# Altium PCB PCB.PcbDoc (part 2 of 2)
Units mil, origin at the board's own origin, x right, y up, seen from the top; angles counter-clockwise.
Board outline 5365 x 4803.15 mil, 2 copper layers (Top Layer, Bottom Layer); 200 components, 155 nets, 566 pads, 109 vias.
Unrouted connection lines stored in the file: 117.
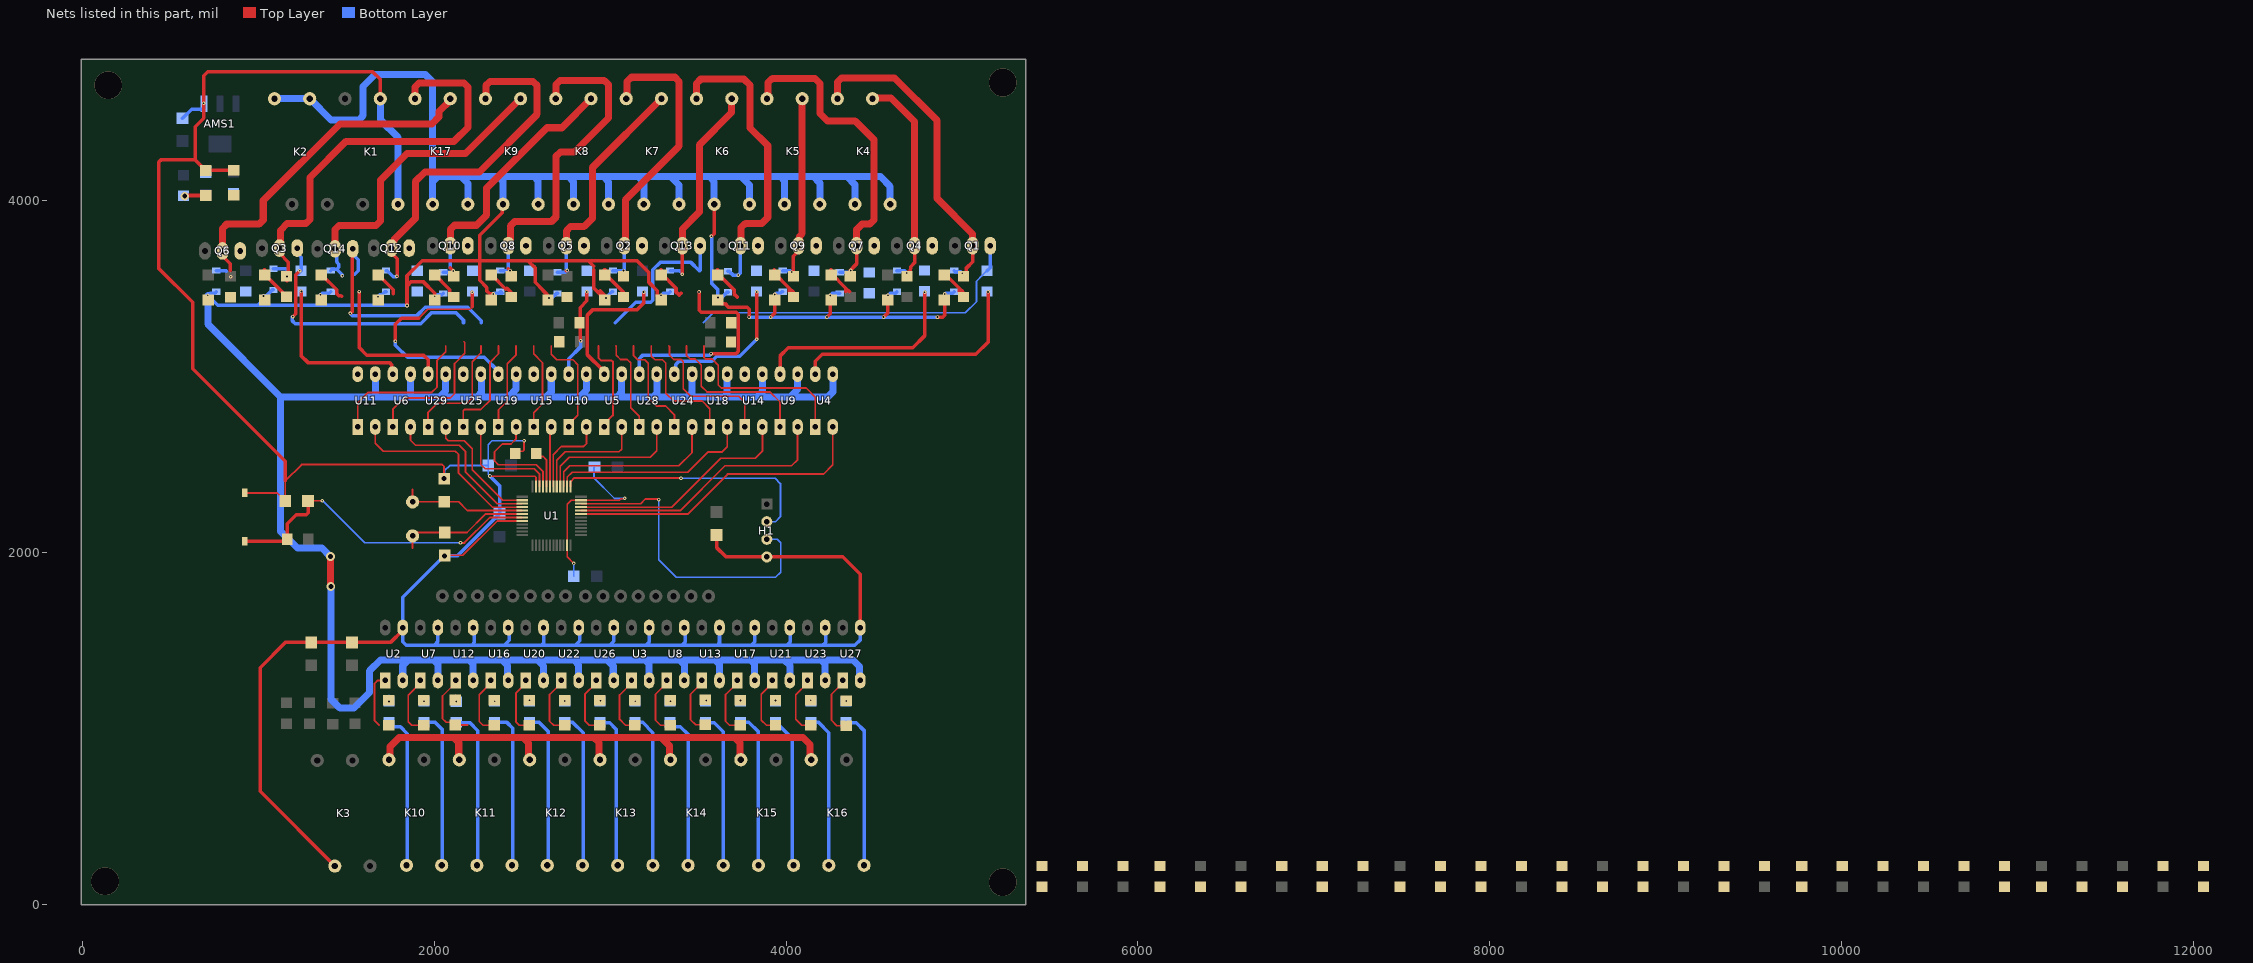
[diagram p2: the nets of this part, all layers, seen from the top]

## Via types
v1: diameter 20, hole 10, Top Layer to Bottom Layer, 95 vias
v2: diameter 50, hole 28, Top Layer to Bottom Layer, 10 vias
v3: diameter 157.48, hole 157.48, Top Layer to Bottom Layer, 4 vias

## Nets (pads, with @x,y where several pads share a name; then routed paths per layer and width w, separated by ;. In a path a pad name is that pad's centre, name@x,y a point inside that pad or via, vN(x,y) a via of type N, cw(c..) or ccw(c..) an arc to the next point about the centre after c; other vN are vias at no path point) (continued)
GND_24: DIO1.1 DIO2.1 DIO3.1 DIO4.1 DIO5.1 DIO6.1 DIO7.1 DIO8.1 DIO9.1 DIO10.1 DIO11.1 DIO12.1 DIO13.1 DIO14.1 K2.3 K2.4 K4.1 K4.2 K5.1 K5.2 K6.1 K6.2 K7.1 K7.2 K8.1 K8.2 K9.1 K9.2 K10.2 K11.2 K12.2 K13.2 K14.2 K15.2 K16.2 K17.1 K17.2 L5.2 L6.2 L7.2 L10.2 L11.2 L12.2 L17.2 L18.2 L21.2 L22.2 L25.2 L26.2 L29.2 L30.2 U2.2 U3.2 U4.3 U5.3 U6.3 U7.2 U8.2 U9.3 U10.3 U11.3 U12.2 U13.2 U14.3 U15.3 U16.2 U17.2 U18.3 U19.3 U20.2 U21.2 U22.2 U23.2 U24.3 U25.3 U26.2 U27.2 U28.3 U29.3 | length 30450.3
  Top Layer w20: v2@1411,1807 v2(1413,1805) ; v1(1846,3402) 1846,3513 ; v1(2004,3454) 2004,3471 1937,3538 1871,3538 1846,3513 ; v1(2336,3468) 2316.07,3468 2299.82,3484.24 2299.82,3504.18 2259,3545 2259,3657 ; K9.1@2391.65,3977.32 2387,3972.67 2387,3929 2259,3801 2259,3657 ; 2641.68,3464.24 2621.68,3484.24 2621.68,3486.74 2575,3533.42 2575,3615 2533,3657 ; 2907,3604 2907,3501.28 2943.53,3464.74 ; 2907,3626 2876,3657 ; 2943.53,3486.74 2943.53,3484.24 2963.53,3464.24 2966.03,3464.24 ; v1(3290,3460) 3290,3434.13 L30.2@3290.89,3433.24 3288.39,3433.24 3268.39,3453.24 3268.39,3485.36 3221,3532.75 3221,3589 3153,3657 2876,3657 ; v1(3576,3795) 3591.65,3810.65 K6.1@3591.65,3977.32 ; v1(3613,3447) 3612.74,3446.74 L26.2@3612.74,3433.24 3632.74,3413.24 3652.76,3413.24 3673,3393 3778.28,3393 3790,3381.28 v1(3790,3336) ; v1(3913,3336) 3936,3359 v1(3936,3465) L21.2@3946,3455 ; v1(4232,3336) 4251,3355 v1(4251,3459) ; v1(4554,3336) 4579,3361 v1(4579,3460) ; v1(4860.64,3336) 4890.28,3336 4902,3347.72 v1(4902,3468) ; 1846,3513 1846,3570 1933,3657 2259,3657 ; 2259,3657 2533,3657 ; 2533,3657 2876,3657
  Top Layer w40: v2@1411,1807 v2(1411,1975) ; K10.2@1743.09,820.46 1749.75,827.12 1749.75,894.75 1802,947 2111,947 ; K11.2@2143.09,820.46 2140.13,823.43 2140.13,917.87 2111,947 ; K12.2@2543.09,820.46 2536.44,827.12 2536.44,916.56 2506,947 ; K13.2@2943.09,820.46 2936.44,827.12 2936.44,917.56 2907,947 ; K14.2@3343.09,820.46 3336.44,827.12 3336.44,901.56 3291,947 ; K15.2@3743.09,820.46 3737.13,826.43 3737.13,917.87 3708,947 ; K16.2@4143.09,820.46 4136.44,827.12 4136.44,907.56 4097,947 3708,947 ; 2111,947 2506,947 ; 2506,947 2907,947 ; 2907,947 3291,947 ; 3291,947 3708,947
  Bottom Layer w20: DIO6.1@762.27,3480.31 754.55,3472.59 726.59,3472.59 v1(714,3460) 770,3404 999,3404 ; DIO3.1@1087.07,3490.15 1081.17,3490.15 1047.02,3456 v1(1030,3456) 1030,3435 999,3404 ; v2@1410,1975 v2(1411,1975) ; DIO14.1@1411.87,3480.31 1404.16,3472.59 1363.59,3472.59 v1(1354,3463) 1354,3417 1341,3404 ; 1665.74,2901.26 1685,2882 ; DIO12.1@1726.83,3480.31 1720.93,3480.31 1702.75,3462.13 1691.13,3462.13 v1(1681,3452) 1681,3421 1664,3404 ; v1(1846,3402) 1844,3404 1664,3404 ; 1852,2882 1865.74,2895.74 ; v1(2004,3454) 2012.75,3462.75 2043.92,3462.75 DIO10.1@2051.64,3470.46 ; U25.3@2265.74,3011.95 U25.3@2270,3007.69 ; v1(2336,3468) 2340.59,3472.59 2388,3472.59 2380.28,3480.31 DIO8.1@2376.44,3480.31 ; v1(2653,3444) 2668.87,3444 2695.34,3470.46 DIO5.1@2701.24,3470.46 ; v1(2977,3444) 2977,3447.01 3010.3,3480.31 DIO2.1@3016.2,3480.31 ; v1(3290,3460) 3302.59,3472.59 3333.29,3472.59 DIO13.1@3341.01,3480.31 ; v1(3576,3795) 3577,3794 3577,3527 3613,3491 v1(3613,3447) 3634.09,3447 3664.24,3477.14 DIO11.1@3670.14,3477.14 ; v1(3790,3336) v1(3913,3336) v1(4232,3336) v1(4554,3336) v1@4859,3336 ; v1(3936,3465) 3943.59,3472.59 3967.15,3472.59 3974.87,3480.31 DIO9.1@3980.77,3480.31 ; v1(4251,3459) 4262.46,3470.46 DIO7.1@4305.57,3470.46 ; v1(4579,3460) 4591.59,3472.59 4622.66,3472.59 DIO4.1@4630.38,3480.31 ; v1(4902,3468) 4906.59,3472.59 4947.46,3472.59 DIO1.1@4955.18,3480.31 ; 999,3404 1341,3404 ; 1341,3404 1664,3404
  Bottom Layer w40: v1(714,3460) 714,3296 1128,2882 ; K2.3@1093,4577 K2.4@1293,4577 ; K2.4@1294.19,4576.77 1413.96,4457 1573.57,4457 1597,4480.43 1597,4647 1665,4715 1950,4715 1991.65,4673.35 1991.65,4103.35 ; v2@1410,1975 1362,2023 1224,2023 1128,2119 1128,2882 ; v2(1413,1805) 1413,1165 1464,1114 1545,1114 1633,1202 1633,1326 1695,1388 1853,1388 ; 1665.74,2901.26 U11.3@1665.74,3011.95 ; U2.2@1821.79,1271.62 1821.79,1356.79 1853,1388 ; 1865.74,2895.74 U6.3@1865.74,3011.95 ; K17.1@1991.65,3977.32 1991.65,4103.35 ; U7.2@2021.79,1271.62 2021.79,1362.21 1996,1388 ; U29.3@2065.74,3011.95 2065.74,2916.74 2031,2882 ; K17.2@2191.65,3977.32 2191.65,4095.35 2153,4134 ; U12.2@2221.79,1271.62 2221.79,1364.57 2198.36,1388 ; U25.3@2270,3007.69 2270,2909 2243,2882 ; K9.1@2391.65,3977.32 2391.65,4108.35 2366,4134 ; U16.2@2421.79,1271.62 2417.96,1275.45 2417.96,1356.04 2386,1388 ; U19.3@2465.74,3011.95 2465.74,2925.74 2422,2882 ; K9.2@2591.65,3977.32 2591.65,4110.35 2568,4134 ; U20.2@2621.79,1271.62 2621.79,1353.21 2587,1388 ; U15.3@2665.74,3011.95 2665.74,2910.74 2637,2882 ; K8.1@2791.65,3977.32 2791.65,4105.35 2763,4134 ; U22.2@2821.79,1271.62 2821.79,1360.21 2794,1388 ; U10.3@2865.74,3011.95 2865.74,2920.74 2827,2882 ; K8.2@2991.65,3977.32 2991.65,4104.35 2962,4134 ; U26.2@3021.79,1271.62 3017.96,1275.45 3017.96,1354.04 2984,1388 ; U5.3@3065.74,3011.95 3065.74,2908.74 3039,2882 ; K7.1@3191.65,3977.32 3191.65,4100.35 3158,4134 ; U3.2@3221.79,1271.62 3221.79,1364.21 3198,1388 ; U28.3@3265.74,3011.95 3265.74,2903.74 3244,2882 ; K7.2@3391.65,3977.32 3391.65,4087.35 3345,4134 ; U8.2@3421.79,1271.62 3421.79,1362.21 3396,1388 ; U24.3@3465.74,3011.95 3465.74,2906.74 3441,2882 ; K6.1@3591.65,3977.32 3591.65,4107.35 3565,4134 ; U13.2@3621.79,1271.62 3621.79,1363.21 3597,1388 ; U18.3@3665.74,3011.95 3665.74,2899.74 3648,2882 ; K6.2@3791.65,3977.32 3791.65,4086.35 3744,4134 ; U17.2@3821.79,1271.62 3821.79,1364.57 3798.36,1388 ; U14.3@3865.74,3011.95 3865.74,2912.74 3835,2882 ; K5.1@3991.65,3977.32 3991.65,4110.57 3968.21,4134 ; U21.2@4021.79,1271.62 4021.79,1356.21 3990,1388 ; U9.3@4065.74,3011.95 4065.74,2923.74 4024,2882 ; K5.2@4191.65,3977.32 4191.65,4099.35 4157,4134 ; U23.2@4221.79,1271.62 4221.79,1364.57 4198.36,1388 ; U4.3@4265.74,3011.95 4265.74,2910.74 4237,2882 4024,2882 ; K4.1@4391.65,3977.32 4391.65,4088.35 4346,4134 ; U27.2@4421.79,1271.62 4417.96,1275.45 4417.96,1351.04 4381,1388 4198.36,1388 ; K4.2@4591.65,3977.32 4591.65,4079.35 4537,4134 4346,4134 ; 1128,2882 1685,2882 1852,2882 2031,2882 ; 1853,1388 1996,1388 ; 1991.65,4103.35 2022.29,4134 2153,4134 ; 1996,1388 2198.36,1388 ; 2031,2882 2243,2882 ; 2153,4134 2366,4134 ; 2198.36,1388 2386,1388 ; 2243,2882 2422,2882 ; 2366,4134 2568,4134 ; 2386,1388 2587,1388 ; 2422,2882 2637,2882 ; 2568,4134 2763,4134 ; 2587,1388 2794,1388 ; 2637,2882 2827,2882 ; 2763,4134 2962,4134 ; 2794,1388 2984,1388 ; 2827,2882 3039,2882 ; 2962,4134 3158,4134 ; 2984,1388 3198,1388 ; 3039,2882 3244,2882 ; 3158,4134 3345,4134 ; 3198,1388 3396,1388 ; 3244,2882 3441,2882 ; 3345,4134 3565,4134 ; 3396,1388 3597,1388 ; 3441,2882 3648,2882 ; 3565,4134 3744,4134 ; 3597,1388 3798.36,1388 ; 3648,2882 3835,2882 ; 3744,4134 3968.21,4134 ; 3798.36,1388 3990,1388 ; 3835,2882 4024,2882 ; 3968.21,4134 4157,4134 ; 3990,1388 4198.36,1388 ; 4157,4134 4346,4134
GND_33: AMS1.1 BT1.1 C1.2 C2.2 C3.2 C4.2 C5.2 C6.2 C7.2 C8.2 C9.2 C10.2 C11.2 C12.2 H1.4 K1.2 K1.4 K3.4 L1.2 L2.2 R3.2 U1.8 U1.23 U1.35 U1.47 U2.3 U3.3 U7.3 U8.3 U12.3 U13.3 U16.3 U17.3 U20.3 U21.3 U22.3 U23.3 U26.3 U27.3 | length 17826.3
  Top Layer w10: BT1.1@923.37,2337.06 1107.25,2337.06 C12.2@1154,2290.31 1154,2405 1247,2498 2046,2498 2056,2488 v2(2056,2418) ; C9.2@2060,1982.04 2163.04,1982.04 2358.35,2177.35 U1.8@2500.65,2177.35 ; v1(2317,2433) 2317.92,2432.08 2573.06,2432.08 2578.92,2426.22 U1.47@2578.92,2373.73 ; R3.2@2461.94,2560 2475.09,2573.14 2505.14,2573.14 2511,2579 v1(2511,2634) ; v1(2794,1936) 2756.09,1973.91 U1.23@2756.09,2040.03 2756.09,2273.09 2778.46,2295.46 2861.91,2295.46 2862.38,2295 3053,2295 3062.09,2304.09 3081.09,2304.09 v1(3083,2306)
  Top Layer w20: 639.5,4229 447.72,4229 436,4217.28 436,3612 628,3420 628,3043 1154,2517 1154,2405 ; L1.2@861,4171 704,4171 L2.2@702,4169 699.5,4169 679.5,4189 679.5,4191.5 642,4229 642,4418 690,4466 v1(690,4551) 690,4707 714,4731 1650,4731 1694.19,4686.81 K1.4@1694.19,4576.77 ; K3.4@1436.01,216.53 1011,641.54 1011,1344 1153.96,1486.96 C10.2@1302,1486.96 C11.2@1534,1486.96 1752.13,1486.96 1821.79,1556.62 U2.3@1821.79,1571.62 ; C5.2@3605.14,2098.45 3605.14,2026.86 3658.75,1973.25 H1.4@3890.57,1973.25 4322.75,1973.25 4421.79,1874.21 U27.3@4421.79,1571.62
  Bottom Layer w10: v2@2059,2411 2059,2415 v2(2056,2418) 2061,2423 2061,2465 2088.32,2492.32 C6.2@2307.27,2492.32 ; v1(2317,2433) 2317,2434.12 2307.27,2443.85 C6.2@2307.27,2492.32 ; v1(2511,2634) 2510,2633 2329,2633 2307.27,2611.27 C6.2@2307.27,2492.32 ; C3.2@2793.81,1863.24 2794,1863.43 v1(2794,1936) ; C4.2@2911.6,2482.47 2908,2478.87 2908,2422 3025,2305 3082,2305 v1(3083,2306)
  Bottom Layer w20: C1.2@570,4465.96 621.75,4517.71 682.76,4517.71 690,4524.95 v1(690,4551) ; U7.3@2021.79,1571.62 2021.79,1492.79 2000,1471 ; U12.3@2221.79,1571.62 2229,1564.41 2229,1487 2213,1471 ; v1(2317,2433) 2372,2378 C7.2@2372,2217.96 2133.04,1979 v2(2059,1979) 2057,1979 1821.79,1743.79 U2.3@1821.79,1571.62 1821.79,1491.21 1842,1471 2000,1471 ; U16.3@2421.79,1571.62 2427,1566.41 2427,1500 2398,1471 ; U20.3@2621.79,1571.62 2621.79,1482.72 2610.07,1471 ; U22.3@2821.79,1571.62 2828,1565.41 2828,1497 2802,1471 ; U26.3@3021.79,1571.62 3021.79,1494.79 2998,1471 ; U3.3@3221.79,1571.62 3221.79,1489.79 3203,1471 ; U8.3@3421.79,1571.62 3428,1565.41 3428,1490 3409,1471 ; U13.3@3621.79,1571.62 3621.79,1484.79 3608,1471 ; U17.3@3821.79,1571.62 3821.79,1490.79 3802,1471 ; U21.3@4021.79,1571.62 4023,1570.41 4023,1490 4004,1471 ; U23.3@4221.79,1571.62 4225,1568.41 4225,1489 4207,1471 ; U27.3@4421.79,1571.62 4421,1570.83 4421,1501 4391,1471 4207,1471 ; 2000,1471 2213,1471 ; 2213,1471 2398,1471 ; 2398,1471 2610.07,1471 ; 2610.07,1471 2802,1471 ; 2802,1471 2998,1471 ; 2998,1471 3203,1471 ; 3203,1471 3409,1471 ; 3409,1471 3608,1471 ; 3608,1471 3802,1471 ; 3802,1471 4004,1471 ; 4004,1471 4207,1471
  Bottom Layer w40: K1.4@1694.19,4576.77 1694.19,4457.81 1794.19,4357.81 K1.2@1794.19,3976.77
  other v3: 5231,124 130,130 149,4654 5232,4669
IN1: K10.4 R14.1 | length 881.4
  Bottom Layer w10: R14.1@1743.24,1033.31 1767.77,1008.78 1774.76,1008.78 1775.6,1007.94 ; K10.4@1843.09,220.46 K10.4@1847.57,224.94
  Bottom Layer w20: 1775.6,1007.94 1808.7,1007.94 1847.57,969.07 K10.4@1847.57,224.94
IN2: K10.3 R29.1 | length 894.6
  Bottom Layer w10: R29.1@1943.05,1033.31 R29.1@1943.89,1032.47 ; K10.3@2043.09,220.46 K10.3@2047.57,224.94
  Bottom Layer w20: R29.1@1943.89,1032.47 2006.31,1032.47 2047.57,991.21 K10.3@2047.57,224.94
IN3: K11.4 R43.1 | length 908.4
  Bottom Layer w10: R43.1@2126,1032.94 R43.1@2126.84,1032.11 ; K11.4@2243.09,220.46 K11.4@2247.57,224.94
  Bottom Layer w20: R43.1@2126.84,1032.11 2201.53,1032.11 2247.57,986.07 K11.4@2247.57,224.94
IN4: K11.3 R55.1 | length 899.5
  Bottom Layer w10: R55.1@2342.66,1033.31 R55.1@2343.5,1032.47 ; K11.3@2443.09,220.46 K11.3@2447.57,224.94
  Bottom Layer w20: R55.1@2343.5,1032.47 2414.17,1032.47 2447.57,999.07 K11.3@2447.57,224.94
IN5: K12.4 R65.1 | length 889.8
  Bottom Layer w10: R65.1@2542.47,1033.31 R65.1@2543.31,1032.47 ; K12.4@2643.09,220.46 K12.4@2647.57,224.94
  Bottom Layer w20: R65.1@2543.31,1032.47 2597.17,1032.47 2647.57,982.07 K12.4@2647.57,224.94
IN6: K12.3 R73.1 | length 884.7
  Bottom Layer w10: R73.1@2742.28,1033.31 R73.1@2743.12,1032.47 ; K12.3@2843.09,220.46 K12.3@2847.57,224.94
  Bottom Layer w20: R73.1@2743.12,1032.47 2788.17,1032.47 2847.57,973.07 K12.3@2847.57,224.94
IN7: K13.4 R83.1 | length 885.5
  Bottom Layer w10: R83.1@2942.08,1033.31 R83.1@2945.39,1030 ; K13.4@3034,229.56 K13.4@3043.09,220.46
  Bottom Layer w20: R83.1@2945.39,1030 2998,1030 3034,994 K13.4@3034,229.56
IN8: K13.3 R15.1 | length 879.8
  Bottom Layer w20: R15.1@3141.89,1033.31 3184.69,1033.31 3243.09,974.91 K13.3@3243.09,220.46
IN9: K14.4 R30.1 | length 874.2
  Bottom Layer w10: R30.1@3341.7,1033.31 R30.1@3366.23,1008.78
  Bottom Layer w20: R30.1@3366.23,1008.78 3399.22,1008.78 3443.09,964.91 K14.4@3443.09,220.46
IN10: K14.3 R44.1 | length 917.8
  Bottom Layer w10: R44.1@3541.5,1033.31 R44.1@3566.03,1008.78
  Bottom Layer w20: R44.1@3541.5,1033.31 3543.1,1031.72 3591.28,1031.72 3643.09,979.91 K14.3@3643.09,220.46
IN11: K15.4 R56.1 | length 882.8
  Bottom Layer w20: R56.1@3741.31,1033.31 3788.69,1033.31 3843.09,978.91 K15.4@3843.09,220.46
IN12: K15.3 R66.1 | length 856.2
  Bottom Layer w10: R66.1@3941.12,1033.31 R66.1@3943.09,1033.31 ; K15.3@4035,228.56 K15.3@4043.09,220.46
  Bottom Layer w20: R66.1@3943.09,1033.31 4035,941.39 K15.3@4035,228.56
IN13: K16.4 R74.1 | length 880.8
  Bottom Layer w20: R74.1@4140.92,1033.31 4184.69,1033.31 4243.09,974.91 K16.4@4243.09,220.46
IN14: K16.3 R84.1 | length 922.7
  Bottom Layer w10: R84.1@4340.73,1033.31 R84.1@4365.26,1008.78
  Bottom Layer w20: R84.1@4340.73,1033.31 4343.04,1031 4399,1031 4443.09,986.91 K16.3@4443.09,220.46
NetBT1_2: BT1.2 C12.1 R8.1 U1.7 | length 1922
  Top Layer w10: C12.1@1283.92,2290.31 1285.61,2292 v1(1365,2292) ; v1(2150,2054) 2151,2053 2172,2053 2316.04,2197.04 U1.7@2500.65,2197.04
  Top Layer w20: BT1.2@923.37,2061.46 1153.5,2061.46 R8.1@1165.81,2073.77 1165.81,2161.81 1216,2212 1272.21,2212 1283.92,2223.72 C12.1@1283.92,2290.31
  Bottom Layer w10: v1(1365,2292) 1367,2292 1605,2054 v1(2150,2054)
NetC8_1: C8.1 U1.5 Y1.1 | length 698.9
  Top Layer w10: 1877.91,2356.54 1877.91,2311.39 1902.26,2287.04 C8.1@2058,2287.04 2138.96,2287.04 2189.59,2236.41 U1.5@2500.65,2236.41
NetC9_1: C9.1 U1.6 Y1.2 | length 741.9
  Top Layer w10: 1877.91,2021.89 1877.91,2087.61 1902.26,2111.96 C9.1@2060,2111.96 2186.96,2111.96 2291.72,2216.72 U1.6@2500.65,2216.72
NetL1_1: L1.1 R1.1
NetL2_1: L2.1 R2.1 | length 120.7
  Top Layer w20: v2(583,4023) 587,4027 L2.1@702,4027
NetL3_1: L3.1 R14.2 | length 5.5
  Bottom Layer w10: R14.2@1743.24,1151.42 v1(1744.42,1151.42) ; 1743.24,1182.96 1743.24,1187.3
NetL3_2: L3.2 U2.1 | length 315.8
  Top Layer w10: 1688.7,1016.3 1662,1043 1662,1254 1679.62,1271.62 U2.1@1721.79,1271.62
NetL4_1: L4.1 R15.2 | length 1.6
  Bottom Layer w10: R15.2@3141.89,1151.42 v1(3143,1152.53)
NetL4_2: L4.2 U3.1 | length 350.6
  Top Layer w10: U3.1@3121.79,1271.62 3121.79,1256.62 3054,1188.83 3054,1050 3087.7,1016.3 L4.2@3140.95,1016.3
NetL5_1: L5.1 R23.1 | length 172.4
  Top Layer w20: 2966.03,3606.24 2968.53,3606.24 2988.53,3586.24 2988.53,3565.01 3072.28,3481.25 3074.25,3481.25
NetL6_1: L6.1 R22.1 | length 169.9
  Top Layer w20: L6.1@4899.65,3584.24 4983.88,3500.02 R22.1@4983.88,3478.78 ; 4983.88,3500.78 5003.41,3481.25 5005.38,3481.25
NetL7_1: L7.1 R24.1 | length 177.7
  Top Layer w20: 1034.91,3606.24 1037.41,3606.24 ; L7.1@1040.41,3575.24 1139.5,3476.15 1139.5,3470.53 1156.38,3453.65 R24.1@1162,3453.65
NetL8_1: L8.1 R29.2 | length 1.6
  Bottom Layer w10: R29.2@1943.05,1151.42 v1(1943.05,1153.05)
NetL8_2: L8.2 U7.1 | length 360.8
  Top Layer w10: U7.1@1921.79,1271.62 1921.79,1256.62 1853,1187.83 1853,1037 1873.7,1016.3 L8.2@1942.11,1016.3
NetL9_1: L9.1 R30.2 | length 1.8
  Bottom Layer w10: R30.2@3341.7,1151.42 v1(3343,1152.72)
NetL9_2: L9.2 U8.1 | length 347.7
  Top Layer w10: U8.1@3321.79,1271.62 3321.79,1256.62 3258,1192.83 3258,1045 3286.7,1016.3 L9.2@3340.76,1016.3
NetL13_1: L13.1 R43.2 | length 2.1
  Bottom Layer w10: 2120,1185.24 2120,1187.3
  other v1: 2126,1151.06
NetL13_2: L13.2 U12.1 | length 406.7
  Top Layer w10: U12.1@2121.79,1271.62 2121.79,1256.62 2048,1182.83 2048,1053 2068,1033 2106,1033 L13.2@2121,1018 2191,1018
NetL14_1: L14.1 R44.2 | length 5.7
  Top Layer w10: L14.1@3542,1161 v1(3546,1157)
NetL14_2: L14.2 U13.1 | length 347.5
  Top Layer w10: U13.1@3521.79,1271.62 3521.79,1256.62 3457,1191.83 3457,1048 3486,1019 L14.2@3542,1019
NetL15_1: L15.1 R55.2 | length 1.9
  Bottom Layer w10: R55.2@2342.66,1151.42 v1(2344,1152.75)
NetL15_2: L15.2 U16.1 | length 355.6
  Top Layer w10: U16.1@2321.79,1271.62 2321.79,1256.62 2256,1190.83 2256,1038 2277.7,1016.3 L15.2@2341.73,1016.3
NetL16_1: L16.1 R56.2 | length 0.9
  Top Layer w10: L16.1@3740.37,1158.3 v1(3741,1157.67)
NetL16_2: L16.2 U17.1 | length 353.6
  Top Layer w10: U17.1@3721.79,1271.62 3721.79,1256.62 3656,1190.83 3656,1039 3678.7,1016.3 L16.2@3740.37,1016.3
NetL17_1: L17.1 R47.1 | length 172.4
  Top Layer w20: 4253.45,3606.24 4255.95,3606.24 ; L17.1@4255.95,3584.24 4340.17,3500.02 4340.17,3478.78 ; 4340.17,3500.78 4359.7,3481.25 4361.67,3481.25
NetL18_1: L18.1 R48.1 | length 143.2
  Top Layer w20: L18.1@2327.82,3575.24 2408.14,3494.92 ; 2414,3500.78 2422.86,3491.92 2433.53,3481.25 2435.5,3481.25
NetL19_1: L19.1 R65.2 | length 7.1
  Bottom Layer w10: R65.2@2542.47,1151.42 v1(2542.47,1158.53)
NetL19_2: L19.2 U20.1 | length 343.6
  Top Layer w10: U20.1@2521.79,1271.62 2521.79,1256.62 2466,1200.83 2466,1034 2483.7,1016.3 L19.2@2541.53,1016.3
NetL20_1: L20.1 R66.2 | length 1.5
  Top Layer w10: v1(3940.18,1156.82) L20.1@3940.18,1158.3
NetL20_2: L20.2 U21.1 | length 345.1
  Top Layer w10: U21.1@3921.79,1271.62 3921.79,1256.62 3859,1193.83 3859,1046 3888.7,1016.3 L20.2@3940.18,1016.3
NetL21_1: L21.1 R57.1 | length 172.4
  Top Layer w20: 3931.59,3606.24 3934.09,3606.24 ; L21.1@3934.09,3584.24 4018.32,3500.02 4018.32,3478.78 ; 4018.32,3500.78 4037.85,3481.25 4039.81,3481.25
NetL22_1: L22.1 R58.1 | length 136.1
  Top Layer w20: L22.1@2001.14,3575 2006.21,3575 2083.82,3497.4 ; 2090.2,3469.78 2090.2,3491.02
NetL23_1: L23.1 R73.2 | length 3.3
  Bottom Layer w10: R73.2@2742.28,1151.42 v1(2742.28,1154.72)
NetL23_2: L23.2 U22.1 | length 354
  Top Layer w10: U22.1@2721.79,1271.62 2721.79,1256.62 2656,1190.83 2656,1040 2679.7,1016.3 L23.2@2741.34,1016.3
NetL24_1: L24.1 R74.2 | length 1.4
  Top Layer w10: L24.1@4139.99,1158.3 v1(4141,1159.31)
NetL24_2: L24.2 U23.1 | length 348.2
  Top Layer w10: U23.1@4121.79,1271.62 4121.79,1256.62 4055,1189.83 4055,1050 4088.7,1016.3 L24.2@4139.99,1016.3
NetL25_1: L25.1 R67.1 | length 126.1
  Top Layer w20: L25.1@1685.5,3566 1693.36,3566 1761.96,3497.4 ; 1768.34,3469.78 1768.34,3491.02
NetL26_1: L26.1 R68.1 | length 188.6
  Top Layer w20: 3609.74,3606.24 3612.24,3606.24 ; L26.1@3612.24,3584.24 3612.24,3578.24 3635.24,3555.24 3641.24,3555.24 3704.54,3491.94 3704.54,3467.4 3724,3447.94
NetL27_1: L27.1 R83.2 | length 5.5
  Bottom Layer w10: R83.2@2942.08,1151.42 v1(2946,1155.33)
NetL27_2: L27.2 U26.1 | length 351.3
  Top Layer w10: U26.1@2921.79,1271.62 2921.79,1256.62 2857,1191.83 2857,1042 2882.7,1016.3 L27.2@2941.15,1016.3
NetL28_1: L28.1 R84.2 | length 1
  Top Layer w10: v1(4342,1155) L28.1@4342,1156
NetL28_2: L28.2 U27.1 | length 349.9
  Top Layer w10: U27.1@4321.79,1271.62 4321.79,1256.62 4258,1192.83 4258,1045 4289,1014 L28.2@4342,1014
NetL29_1: L29.1 R77.1 | length 174.4
  Top Layer w20: L29.1@1362.26,3575.24 1446.49,3491.02 1446.49,3469.78 1458.2,3458.06 1469.9,3458.06 1473.97,3454
NetL30_1: L30.1 R78.1 | length 172.4
  Top Layer w20: 3287.89,3606.24 3290.39,3606.24 ; L30.1@3290.39,3584.24 3374.61,3500.02 3374.61,3478.78 3394.14,3459.25 ; 3401.11,3471 3403,3471
NetQ1_3: Q1.3 R10.1 R17.1 | length 1954.2
  Bottom Layer w10: 3529,3304 3586,3361 5019,3361 5082,3424 5082,3539.17 5115.69,3572.87 5115.69,3574.83 5140.22,3599.36 R17.1@5142.19,3599.36
  Bottom Layer w20: R17.1@5142.19,3599.36 5160,3617.17 Q1.3@5160,3742
NetQ2_3: Q2.3 R9.1 R18.1
NetQ3_3: Q3.3 R13.1 R21.1 | length 1506
  Top Layer w20: v1(1197,3339) 1214,3356 1214,3577 v1(1237,3600)
  Bottom Layer w20: v1(1197,3339) 1195,3337 1195,3314 1210,3299 1924,3299 1987,3362 2123.83,3362 2167,3318.83 2167,3304 ; Q3.3@1222,3728 1222,3698.55 1244.55,3676 R21.1@1244.55,3599.36 R21.1@1225.02,3579.83
NetQ4_3: Q4.3 R25.1 R31.1
NetQ5_3: Q5.3 R26.1 R33.1
NetQ6_3: Q6.3 R27.1 R35.1
NetQ7_3: Q7.3 R39.1 R42.1
NetQ8_3: Q8.3 R40.1 R46.1
NetQ9_3: Q9.3 R49.1 R52.1
NetQ10_3: Q10.3 R50.1 R54.1
NetQ11_3: Q11.3 R59.1 R62.1
NetQ12_3: Q12.3 R60.1 R64.1
NetQ13_3: Q13.3 R69.1 R72.1 | length 887.9
  Bottom Layer w20: 3029,3304 3145,3420 3231,3420 3243,3432 3243,3605 3287,3649 3456.72,3649 3506.36,3599.36 3508.33,3599.36 3511.15,3602.19 Q13.3@3511.15,3742
NetQ14_3: Q14.3 R70.1 R76.1 | length 1350.1
  Top Layer w20: v1(1523,3356.72) 1534,3367.72 1534,3721 Q14.3@1537,3724
  Bottom Layer w20: v1(1523,3356.72) 1534.72,3345 1903,3345 1950,3392 2190.32,3392 2267,3315.32 2267,3304 ; Q14.3@1537,3724 1537,3694.55 1569.35,3662.2 1569.35,3599.36 1549.83,3579.83
NetR3_1: R3.1 U1.44 | length 223.7
  Top Layer w10: R3.1@2580.06,2560 2595.78,2544.28 2618.72,2544.28 2637.98,2525.02 U1.44@2637.98,2373.73
NetR16_2: R16.2 U5.1 | length 550.1
  Top Layer w10: 2933.83,3171.98 2933.83,3105.17 2950,3089 3010.14,3089 3016,3083.14 3016,2777.21 2965.74,2726.95 U5.1@2965.74,2711.95
NetR17_2: R17.2 U4.4 | length 1385.3
  Top Layer w20: U4.4@4165.74,3011.95 4165.74,3084.74 4205,3124 5078,3124 5148,3194 v1(5148,3479)
NetR18_2: R18.2 U5.4
NetR19_2: R19.2 U4.1 | length 1814.4
  Top Layer w10: 3533.83,3171.98 3533.83,3107.17 3543,3098 3580,3098 3615,3063 3615,2950 3632,2933 4114,2933 4165.74,2881.26 U4.1@4165.74,2711.95
  Top Layer w20: 2965.74,3011.95 2965.74,3030.26 2962.43,3030.26 2869,3123.69 2869,3345 2903,3379 3155,3379 3190,3414 v1(3190,3478)
NetR20_2: R20.2 U6.1 | length 808.3
  Top Layer w10: U6.1@1765.74,2711.95 1765.74,2812.74 1829,2876 2091,2876 2116,2901 2116,3072 2174,3130 2174,3192 2170,3196
NetR21_2: R21.2 U6.4 | length 967.5
  Top Layer w20: v1(1246,3482) 1246,3115 1283.09,3077.91 1746.37,3077.91 1758.09,3066.2 1758.09,3019.61 U6.4@1765.74,3011.95
  Bottom Layer w20: U6.4@1758.09,3019.61 U6.4@1765.74,3011.95
NetR28_2: R28.2 U9.1 | length 906.5
  Top Layer w10: 3433.83,3171.98 3433.83,3119.17 3455,3098 3484,3098 3518,3064 3518,2944 3551,2911 3908,2911 3965.74,2853.26 U9.1@3965.74,2711.95
NetR31_2: R31.2 U9.4
NetR32_2: R32.2 U10.1 | length 596.2
  Top Layer w10: 2666.11,3171.98 2666.11,3124.89 2698,3093 2789,3093 2816,3066 2816,2777.21 2765.74,2726.95 U10.1@2765.74,2711.95
NetR33_2: R33.2 U10.4 | length 1219.4
  Top Layer w20: 3965.74,3011.95 3965.74,3114.74 4012,3161 4719,3161 4787,3229 v1(4787,3477)
NetR34_2: R34.2 U11.1 | length 878.2
  Top Layer w10: U11.1@1565.74,2711.95 1565.74,2847.74 1626,2908 1986,2908 2017,2939 2017,3090 2066.11,3139.11 2066.11,3171.98
NetR35_2: R35.2 U11.4 | length 511.1
  Top Layer w20: v1(2832,3202) 2830,3204 2830,3390 2868,3428 v1(2868,3479)
  Bottom Layer w20: 2765.74,3011.95 2765.74,3099.74 2832,3166 v1(2832,3202)
NetR41_2: R41.2 U14.1 | length 823.5
  Top Layer w10: 3333.83,3171.98 3337.43,3168.38 3337.43,3119.57 3362,3095 3404,3095 3416,3083 3416,2928 3458,2886 3731,2886 3765.74,2851.26 U14.1@3765.74,2711.95
NetR42_2: R42.2 U14.4
NetR45_2: R45.2 U15.1 | length 501.5
  Top Layer w10: U15.1@2565.74,2711.95 2565.74,2791.74 2616,2842 2616,3077 2566.11,3126.89 2566.11,3171.98
NetR46_2: R46.2 U15.4
NetR51_2: R51.2 U18.1 | length 717.6
  Top Layer w10: 3233.83,3171.98 3233.83,3114.17 3255,3093 3298,3093 3316,3075 3316,2904 3361,2859 3523,2859 3565.74,2816.26 U18.1@3565.74,2711.95
NetR52_2: R52.2 U18.4
NetR53_2: R53.2 U19.1 | length 501.6
  Top Layer w10: U19.1@2365.74,2711.95 2365.74,2808.74 2416,2859 2416,3072 2466.11,3122.11 2466.11,3171.98
NetR54_2: R54.2 U19.4
NetR61_2: R61.2 U24.1 | length 611.1
  Top Layer w10: 3133.83,3171.98 3133.83,3117.17 3157,3094 3197,3094 3217,3074 3217,2876 3262,2831 3316,2831 3365.74,2781.26 U24.1@3365.74,2711.95
NetR62_2: R62.2 U24.4 | length 1342.2
  Top Layer w10: 1912,3330 1963,3381 2204.28,3381 2217,3393.72
  Top Layer w20: v1(1780,3199) 1780,3295 1815,3330 1912,3330 ; 2217,3393.72 v1(2217,3477)
  Bottom Layer w20: v1(1780,3199) 1780,3177 1849,3108 2285,3108 2365.74,3027.26 2365.74,3011.95
NetR63_2: R63.2 U25.1 | length 598.2
  Top Layer w10: U25.1@2165.74,2711.95 2165.74,2804.88 2171.6,2810.74 2265.74,2810.74 2318,2863 2318,3079 2366.11,3127.11 2366.11,3171.98
NetR64_2: R64.2 U25.4
NetR71_2: R71.2 U28.1 | length 537.5
  Top Layer w10: 3033.83,3171.98 3034.43,3171.38 3034.43,3119.57 3059,3095 3098,3095 3117,3076 3117,2822 3165.74,2773.26 U28.1@3165.74,2711.95
NetR72_2: R72.2 U28.4 | length 1213.6
  Top Layer w20: v1(3506,3479) 3506,3374.72 3517.72,3363 3716.28,3363 3728,3351.28 3728,3140.72 3716.28,3129 v1(3574,3129)
  Bottom Layer w20: U28.4@3165.74,3011.95 3165.74,3099.74 3184,3118 3563,3118 v1(3574,3129)
NetR75_2: R75.2 U29.1 | length 684.6
  Top Layer w10: U29.1@1965.74,2711.95 1965.74,2794.74 2017,2846 2188,2846 2217,2875 2217,3083 2266.11,3132.11 2266.11,3171.98
NetR76_2: R76.2 U29.4 | length 1677
  Top Layer w20: v1(1574,3481) 1574,3163 1617,3120 1940,3120 1965.74,3094.26 U29.4@1965.74,3011.95 ; v1(3833.13,3210.13) v1(3833.13,3478.87)
  Bottom Layer w20: U29.4@1958.09,3019.61 U29.4@1965.74,3011.95 ; 3365.74,3011.95 3373.39,3019.61 3373.39,3066.39 3391,3084 3576,3084 3606,3114 3737,3114 v1(3833.13,3210.13)
OUT1: DIO1.2 K4.3 Q1.2 R22.2 | length 1811.8
  Top Layer w20: v1(5001,3585) 5022.2,3585 5025.09,3587.89 5025.09,3615.09 5060,3650 Q1.2@5060,3742
  Top Layer w40: K4.3@4291.65,4577.31 4291.65,4671.57 4315.08,4695 4617,4695 4859,4453 4859,4009 5058.74,3809.26 5058.74,3743.26 Q1.2@5060,3742
  Bottom Layer w20: DIO1.2@4955.18,3600.31 4962.9,3592.59 4993.41,3592.59 v1(5001,3585)
OUT2: DIO5.2 K4.4 Q5.2 R37.2 | length 1243.5
  Top Layer w20: v1(4686,3586) 4691.86,3591.86 4701.42,3591.86 4706.79,3597.23 4708.27,3622.27 4730.23,3644.23 4730.23,3742
  Top Layer w40: K4.4@4491.65,4577.31 4495.33,4581 4597,4581 4730.23,4447.77 4730.23,3742
  Bottom Layer w20: 4630.38,3600.31 4674.28,3600.31 4686,3588.59 v1(4686,3586)
OUT3: DIO7.2 K5.3 Q7.2 R47.2 | length 1836
  Top Layer w20: v1@4366.14,3601.86 4383.16,3618.89 4383.16,3620.86 4400.46,3638.16 Q7.2@4400.46,3742
  Top Layer w40: K5.3@3891.65,4577.31 3898.3,4583.97 3898.3,4668.57 3921.74,4692 4164,4692 4193,4663 4193,4493 4236,4450 4393,4450 4499,4344 4499,3888.43 4475.57,3865 4433,3865 4400.46,3832.46 Q7.2@4400.46,3742
  Bottom Layer w20: DIO7.2@4305.57,3590.46 4356.46,3590.46 v1(4367,3601)
OUT4: DIO9.2 K5.4 Q9.2 R57.2 | length 1065.3
  Top Layer w20: v1(4033,3592) 4040,3599 4040,3681.86 4070.69,3712.55 Q9.2@4070.69,3742
  Top Layer w40: Q9.2@4070.69,3742 4070.69,3758.31 4075.67,3763.28 4075.67,3794.67 4091,3810 4091,4576.67 K5.4@4091.65,4577.31
  Bottom Layer w20: DIO9.2@3980.77,3600.31 4024.69,3600.31 v1(4033,3592)
OUT5: DIO11.2 K6.3 Q11.2 R67.2 | length 1727.2
  Top Layer w40: K6.3@3491.65,4577.31 3491.65,4664.57 3515.08,4688 3762,4688 3796,4654 3796,4411.57 3896,4311.57 3896,3902 3862,3868 3768.43,3868 3745,3844.57 3745,3746.08 Q11.2@3740.92,3742
  Bottom Layer w20: DIO11.2@3670.14,3597.14 3676.05,3597.14 3698.19,3575 v1(3728,3575) 3740.92,3587.92 Q11.2@3740.92,3742
OUT6: DIO13.2 K6.4 Q13.2 R77.2 | length 1196.3
  Top Layer w20: v1(3410,3579) 3411.15,3580.15 Q13.2@3411.15,3742
  Top Layer w40: Q13.2@3411.15,3742 3411.15,3837.57 3507,3933.41 3507,4315 3691,4499 3691,4576.67 K6.4@3691.65,4577.31
  Bottom Layer w20: DIO13.2@3341.01,3600.31 3394.63,3600.31 3410,3584.94 v1(3410,3579)
OUT7: DIO3.2 K7.3 Q3.2 R24.2 | length 2498.3
  Top Layer w20: Q3.2@1122,3728 1122,3698.55 1172,3648.55 1172,3575 v1(1164,3567) R24.2@1164,3542.3
  Top Layer w40: Q3.2@1122,3728 1126.97,3732.97 1126.97,3828.97 1165,3867 1270.57,3867 1294,3890.43 1294,4130 1499,4335 2114,4335 2193,4414 2193,4643.57 2169.57,4667 1915.08,4667 1891.65,4643.57 1891.65,4577.31
  Bottom Layer w20: DIO3.2@1087.07,3610.15 1157.28,3610.15 1169,3598.43 1169,3572 v1(1164,3567)
OUT8: DIO6.2 K7.4 Q6.2 R38.2 | length 1363.4
  Top Layer w20: v1@2751.62,3600.15 v1@2752.4,3599.36
  Top Layer w40: 2751.62,3742 2751.62,3826.57 2775.05,3850 2853,3850 2899,3896 2899,4184.67 K7.4@3291.65,4577.31
  Bottom Layer w20: DIO6.2@762.27,3600.31 815.69,3600.31 818,3598 ; 2701.24,3590.46 2745.46,3590.46 v1(2756,3601) ; v1@2751.62,3600.15 2751.62,3742
OUT9: DIO8.2 K8.3 Q8.2 R48.2 | length 1918.8
  Top Layer w20: 2421.85,3609.77 v1(2431.31,3600.31)
  Top Layer w40: Q8.2@2421.85,3742 2421.85,3766.04 2433,3777.19 2433,3854.57 2456.43,3878 2666,3878 2694,3906 2694,4250.57 2717.43,4274 2797,4274 2990,4467 2990,4657.57 2966.57,4681 2715.08,4681 2691.65,4657.57 K8.3@2691.65,4577.31
  Bottom Layer w20: DIO8.2@2376.44,3600.31 v1(2431.31,3600.31) ; 2421.85,3609.77 Q8.2@2421.85,3742
OUT10: DIO10.2 K8.4 Q10.2 R58.2 | length 1499.8
  Top Layer w20: 2092.08,3615.98 v1@2108.69,3599.36 ; v1@2108.69,3598.31 v1(2109,3598)
  Top Layer w40: Q10.2@2092.08,3742 2092.08,3834.49 2115.51,3857.92 2240.92,3857.92 2299,3916 2299,4069 2642,4412 2726.33,4412 K8.4@2891.65,4577.31
  Bottom Layer w20: DIO10.2@2051.64,3590.46 2101.46,3590.46 v1(2109,3598) ; 2092.08,3615.98 Q10.2@2092.08,3742
OUT11: DIO12.2 K9.3 Q12.2 R68.2 | length 2087.7
  Top Layer w20: Q12.2@1758,3728 1758,3698.55 1789.84,3666.71 1789.84,3568.36 1789.48,3568 v1(1789,3568)
  Top Layer w40: Q12.2@1758,3728 1758,3752.04 1771,3765.04 1771,3774 1869,3872 1869.57,3872 1893,3895.43 1893,4106 1948,4161 2258,4161 2586,4489 2586,4651.57 2562.57,4675 2317.15,4675 2293.72,4651.57 2293.72,4579.39 K9.3@2291.65,4577.31
  Bottom Layer w20: DIO12.2@1726.83,3600.31 1732.74,3600.31 1768.74,3564.31 1785.31,3564.31 v1(1789,3568)
OUT12: DIO14.2 K9.4 Q14.2 R78.2 | length 1826.3
  Top Layer w40: Q14.2@1437,3724 1437,3833.57 1460.43,3857 1670,3857 1696,3883 1696,4114 1847,4265 2179.33,4265 K9.4@2491.65,4577.31
  Bottom Layer w20: DIO14.2@1411.87,3600.31 1419.59,3608.02 1447.26,3608.02 ; Q14.2@1437,3724 1445.8,3715.2 1445.8,3649.48 1458.98,3636.31 1458.98,3619.74 1447.26,3608.02 ; v1(1479,3571) 1479,3576.28 1447.26,3608.02
OUT13: DIO2.2 K17.3 Q2.2 R23.2 | length 1672.8
  Top Layer w40: Q2.2@3081.38,3742 3081.38,3761.38 3086.36,3766.36 3086.36,4001.57 3392,4307.21 3392,4675.57 3368.57,4699 3121,4699 3096.72,4674.72 3096.72,4582.39 3091.65,4577.31
  Bottom Layer w20: DIO2.2@3016.2,3600.31 v1(3076.69,3600.31) ; v1@3081.38,3606.49 Q2.2@3081.38,3742
OUT14: DIO4.2 K17.4 Q4.2 R36.2 | length 1947.4
  Top Layer w20: 798,3712 798,3682.55 842,3638.55 842,3598.26
  Top Layer w40: 798,3712 798,3840.57 821.43,3864 1005.57,3864 1029,3887.43 1029,3998 1465,4434 1988,4434 2028.42,4474.42 2028.42,4504.67 2091.65,4567.9 K17.4@2091.65,4577.31
  other v1: 844,3565
st_out1: U1.31 U4.2 | length 1762.6
  Top Layer w10: U1.31@2834.35,2216.72 3440.72,2216.72 3668,2444 4213,2444 4265.74,2496.74 U4.2@4265.74,2711.95
st_out2: U1.32 U10.2 | length 1537.4
  Top Layer w10: U1.32@2834.35,2236.41 3398.41,2236.41 3653,2491 4031,2491 4065.74,2525.74 4065.74,2711.95
st_out3: U1.33 U14.2 | length 1300.6
  Top Layer w10: U1.33@2834.35,2256.09 3350.09,2256.09 3628,2534 3825,2534 3865.74,2574.74 U14.2@3865.74,2711.95
st_out4: U1.38 U18.2 | length 1146.7
  Top Layer w10: U1.38@2756.09,2373.73 2756.09,2427.09 2784,2455 3441,2455 3555,2569 3635,2569 3665.74,2599.74 U18.2@3665.74,2711.95
st_out5: U1.39 U24.2 | length 1003.5
  Top Layer w10: U1.39@2736.4,2373.73 2736.4,2456.4 2771,2491 3391,2491 3465.74,2565.74 U24.2@3465.74,2711.95
st_out6: U1.40 U28.2 | length 835.1
  Top Layer w10: U1.40@2716.72,2373.73 2716.72,2487.72 2768,2539 3228,2539 3265.74,2576.74 U28.2@3265.74,2711.95
st_out7: U1.41 U6.2 | length 670.2
  Top Layer w10: U1.41@2697.03,2373.73 2697.03,2523.03 2745,2571 3051,2571 3065.74,2585.74 3065.74,2711.95
st_out8: U1.42 U11.2 | length 490.7
  Top Layer w10: U1.42@2677.35,2373.73 2677.35,2554.35 2724,2601 2851,2601 2865.74,2615.74 2865.74,2711.95
st_out9: U1.43 U15.2 | length 341.6
  Top Layer w10: U1.43@2657.66,2373.73 2658.57,2374.64 2658.57,2704.78 U15.2@2665.74,2711.95
st_out10: U1.45 U19.2 | length 658.3
  Top Layer w10: U19.2@2465.74,2711.95 2465.74,2643.74 2437,2615 2388,2615 2343,2570 2343,2519 2365,2497 2581,2497 2618.29,2459.71 U1.45@2618.29,2373.73
st_out11: U1.46 U25.2 | length 640.1
  Top Layer w10: U25.2@2265.74,2711.95 2265.74,2498.26 2290,2474 2570,2474 2598.61,2445.39 U1.46@2598.61,2373.73
st_out12: U1.2 U29.2 | length 715.6
  Top Layer w10: U29.2@2065.74,2711.95 2065.74,2647.26 2080,2633 2172,2633 2217,2588 2217,2468 2389.54,2295.46 U1.2@2500.65,2295.46
st_out13: U1.3 U5.2 | length 928.5
  Top Layer w10: 1865.74,2711.95 1865.74,2636.26 1894,2608 2144,2608 2178,2574 2178,2457 2359.22,2275.78 U1.3@2500.65,2275.78
st_out14: U1.4 U9.2 | length 1140.7
  Top Layer w10: 1665.74,2711.95 1665.74,2618.26 1710,2574 2120,2574 2139,2555 2139,2449 2331.91,2256.09 U1.4@2500.65,2256.09
SWCLK: H1.2 U1.37 | length 1519.5
  Top Layer w10: U1.37@2775.77,2373.73 2775.77,2401.29 2796.48,2422 3401,2422 v1(3403,2420)
  Bottom Layer w10: v1(3403,2420) 3938,2420 3968,2390 3968,2201 3940.25,2173.25 H1.2@3890.57,2173.25
SWDIO: H1.3 U1.34 | length 1797.7
  Top Layer w10: U1.34@2834.35,2275.78 3173.78,2275.78 3201,2303 3272,2303 v1(3276,2299)
  Bottom Layer w10: v1(3276,2299) 3276,1958 3377,1857 3940,1857 3970,1887 3970,2053 3949.75,2073.25 H1.3@3890.57,2073.25
pads on no net: L10.1 L11.1 L12.1 R36.1 R37.1 R38.1 R53.1 R63.1 U1.10 U1.29 U1.30
copper on no net: | length 16744.6
  Top Layer w10: 1942,3291 2012,3361 2505,3361
  Top Layer w20: 738.56,3555.24 805.71,3488.09 805.71,3487.29 822.5,3470.5 822.5,3469.47 826.11,3465.86 827.14,3465.86 ; v1(882,3368) 900,3386 900,3588 ; 898,3712 900,3710 ; 899,3587 899,3709 ; v1(932,3480) 932,3093 1013.05,3011.95 1565.74,3011.95 ; v1(1726,3199) 1726,3329 1763,3366 1888,3366 1908,3386 v1(1908,3475) ; v1(1942,3196) 1942,3291 ; 2505,3361 2546,3402 v1(2546,3480) ; 2644.18,3606.24 2646.68,3606.24 ; 2646.68,3584.24 2730.9,3500.02 2730.9,3478.78 ; 2730.9,3500.78 2750.43,3481.25 2752.4,3481.25 ; v1(3453,3434) 3452,3435 3452,3604 3509,3661 3822.28,3661 3834,3649.28 ; 3765.74,3011.95 3765.74,3092.74 3873,3200 4411,3200 4474,3263 v1(4474,3470) ; v1(3834,3600) 3834,3649.28 ; 3840.92,3742 3834,3735.08 3834,3649.28 ; v1(4161,3473) 4161,3239 v1(4162,3238) ; 4577.8,3584.24 4662.03,3500.02 4662.03,3478.78 4681.55,3459.25 ; 4681.55,3481.25 4683.52,3481.25
  Bottom Layer w10: 2170,3178.46 2170,3196 ; 2262.46,3188.46 2270,3196 ; 3229,3304 3325,3400 3470,3400 3491,3421 3870,3421 3902,3453 3902,3605 3955,3658 4097.33,3658 4155.97,3599.36 ; 3329,3304 3405,3380 3482,3380 3503,3401 4348,3401 4394,3447 4394,3550 4408.99,3564.99 4448.37,3564.99 4472.9,3589.52 ; 3429,3304 3438.05,3313.05 3438.05,3353.14 3443.91,3359 3531,3359 3553,3381 4655,3381 4702,3428 4702,3557 4746.06,3601.06 4787,3601.06
  Bottom Layer w20: v1(882,3368) 993,3257 2018.68,3257 2065.68,3304 2067,3304 ; 898,3712 898,3628.98 927.62,3599.36 929.59,3599.36 910.06,3579.83 ; v1(1726,3199) 1726,3170 1819,3077 2147.5,3077 2159.22,3065.28 2159.22,3018.47 2165.74,3011.95 ; 1858,3728 1858,3711 1904,3665 1904,3599.36 1956.28,3599.36 1968,3587.65 1968,3435.72 1979.72,3424 2247,3424 2367,3304 ; v1(1942,3196) 1942,3185 1989,3138 2502,3138 2560,3080 2560,3017.69 2565.74,3011.95 ; 2192.08,3742 2192.08,3712.55 2218.96,3685.67 2218.96,3599.36 2231.78,3586.54 2280.46,3586.54 2298,3569 2298,3430.72 2309.72,3419 2352,3419 2467,3304 ; 2521.85,3742 2521.85,3712.55 2543.76,3690.64 2543.76,3599.36 2598.64,3599.36 2619,3579 2619,3436 2567,3384 2567,3304 ; 2667,3304 2667,3380 2686,3399 2744,3399 2785,3440 2785,3572 2812.36,3599.36 2868.57,3599.36 2851.62,3616.31 2851.62,3742 ; 2929,3304 3011,3386 3046,3386 3099,3439 3099,3568 3130.36,3599.36 3183.53,3599.36 3181.38,3601.51 3181.38,3742 ; 3129,3304 3139.49,3314.49 3139.49,3348.49 3179,3388 3251,3388 3291,3428 3447,3428 v1(3453,3434) ; 3565.74,3011.95 3565.74,3026.95 3621.79,3083 4075,3083 4162,3170 v1(4162,3238) ; v1@3831.17,3599.36 v1@3833.13,3599.36 ; 4155.97,3599.36 4157.94,3599.36 4170.69,3612.12 4170.69,3742 ; 4472.9,3589.52 4472.9,3684.99 4500.46,3712.55 4500.46,3742 ; 4787,3601.06 4788.97,3601.06 4835,3647.09 4835,3737.23 4830.23,3742

## Polygon pours and split planes (outlines as drawn)
GND_33 on Bottom Layer "bottom" (hatched 45Degree grid 10 track 8, remove dead copper, pour order 2): -9,4792 -8,4791 5355,4791 5355,3 5361,-3 -9,-3
GND_33 on Bottom Layer "top" (hatched 45Degree grid 10 track 8, remove dead copper, pour order 0): 8,4791 5355,4791 5355,3 5361,-3 -9,-3 -9,4792 -1,4800
GND_33 on Top Layer "top" (hatched 45Degree grid 10 track 8, remove dead copper, pour order 1): -15,4796 -10,4801 5362,4801 5362,1 5358,-3 -6,-3 -6,4788 -2,4792

## Keep-outs
Keep-Out Layer:
  the board outline again, w1